# Altium PCB PCB1.PcbDoc
Units mm, origin at the board's own origin, x right, y up, seen from the top; angles counter-clockwise.
Board outline 100.26 x 80.38 mm, 2 copper layers (Top Layer, Bottom Layer); 47 components, 22 nets, 123 pads, 129 vias.
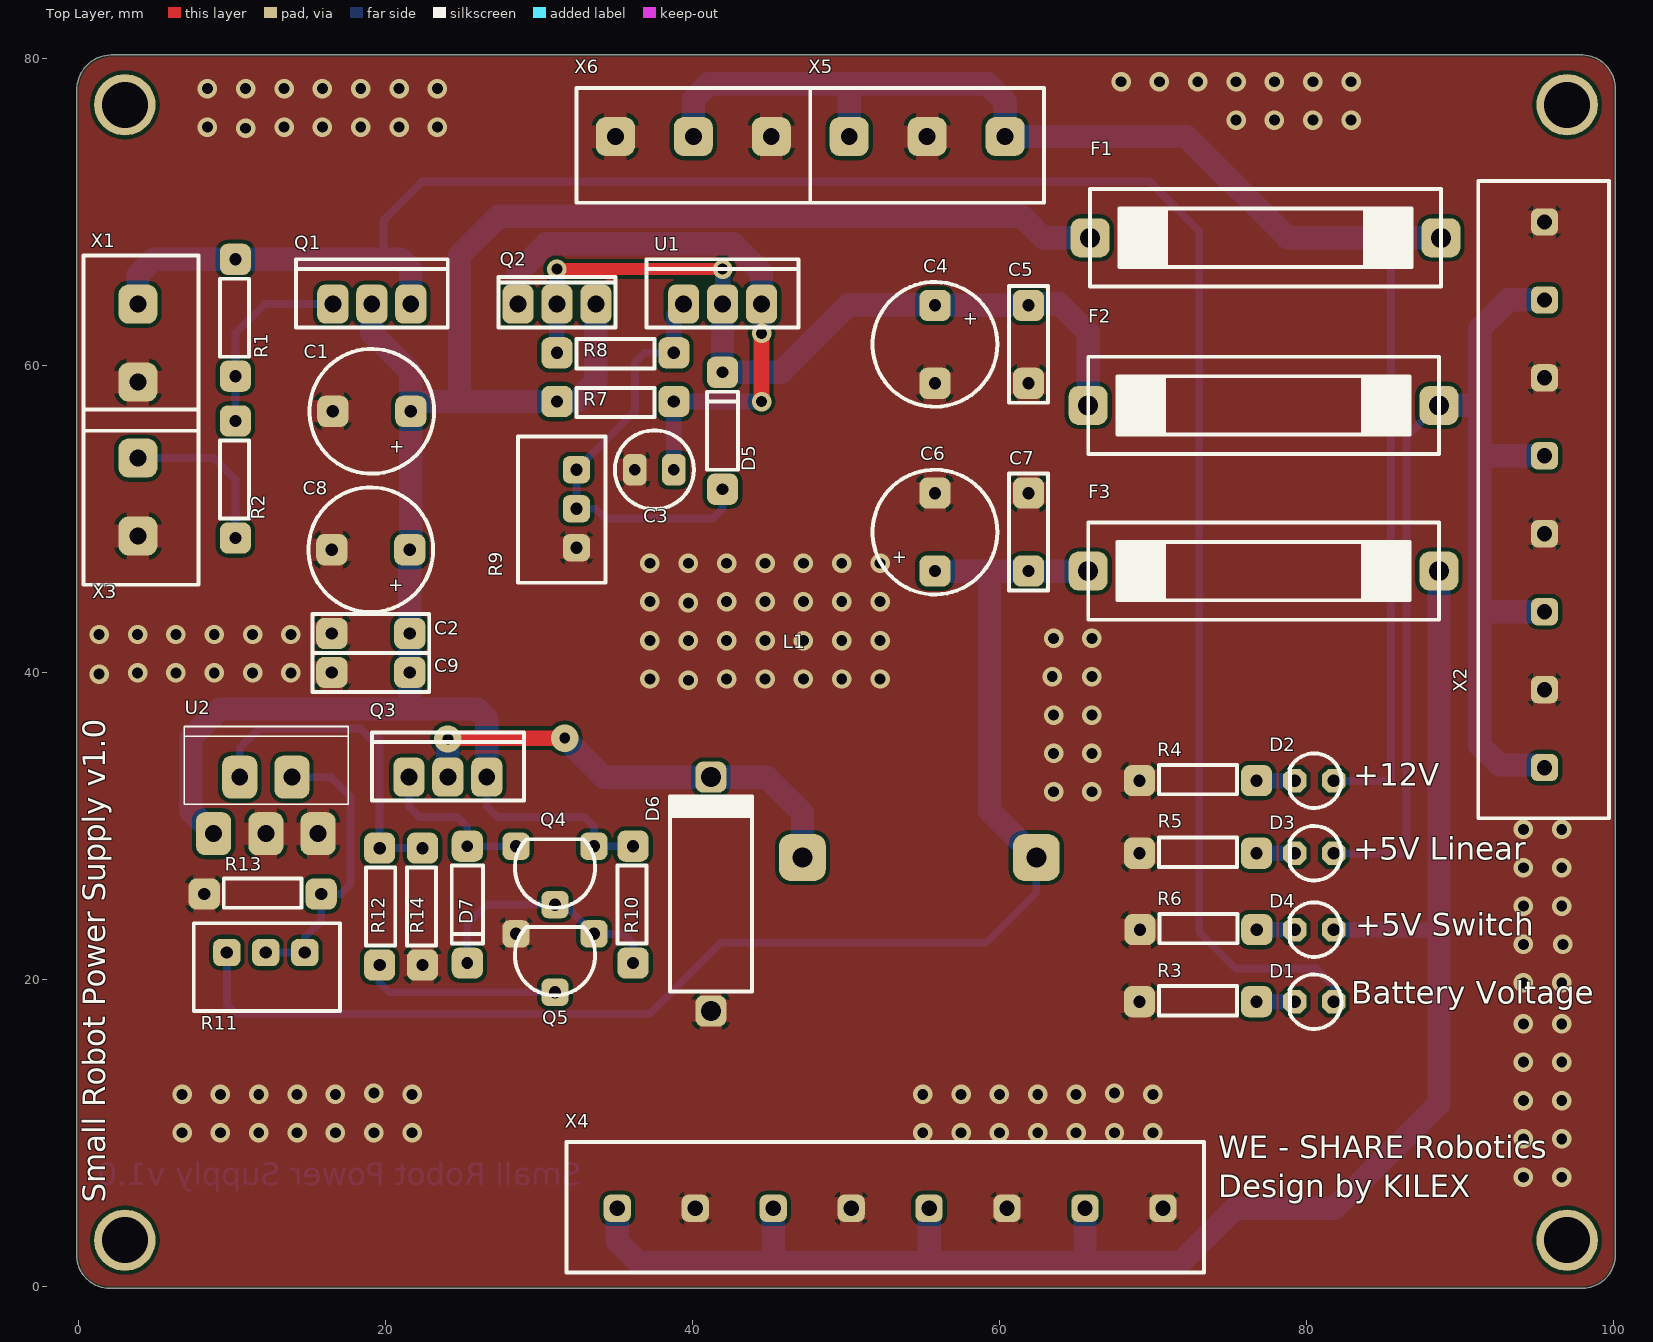
[diagram p0: Top Layer view]
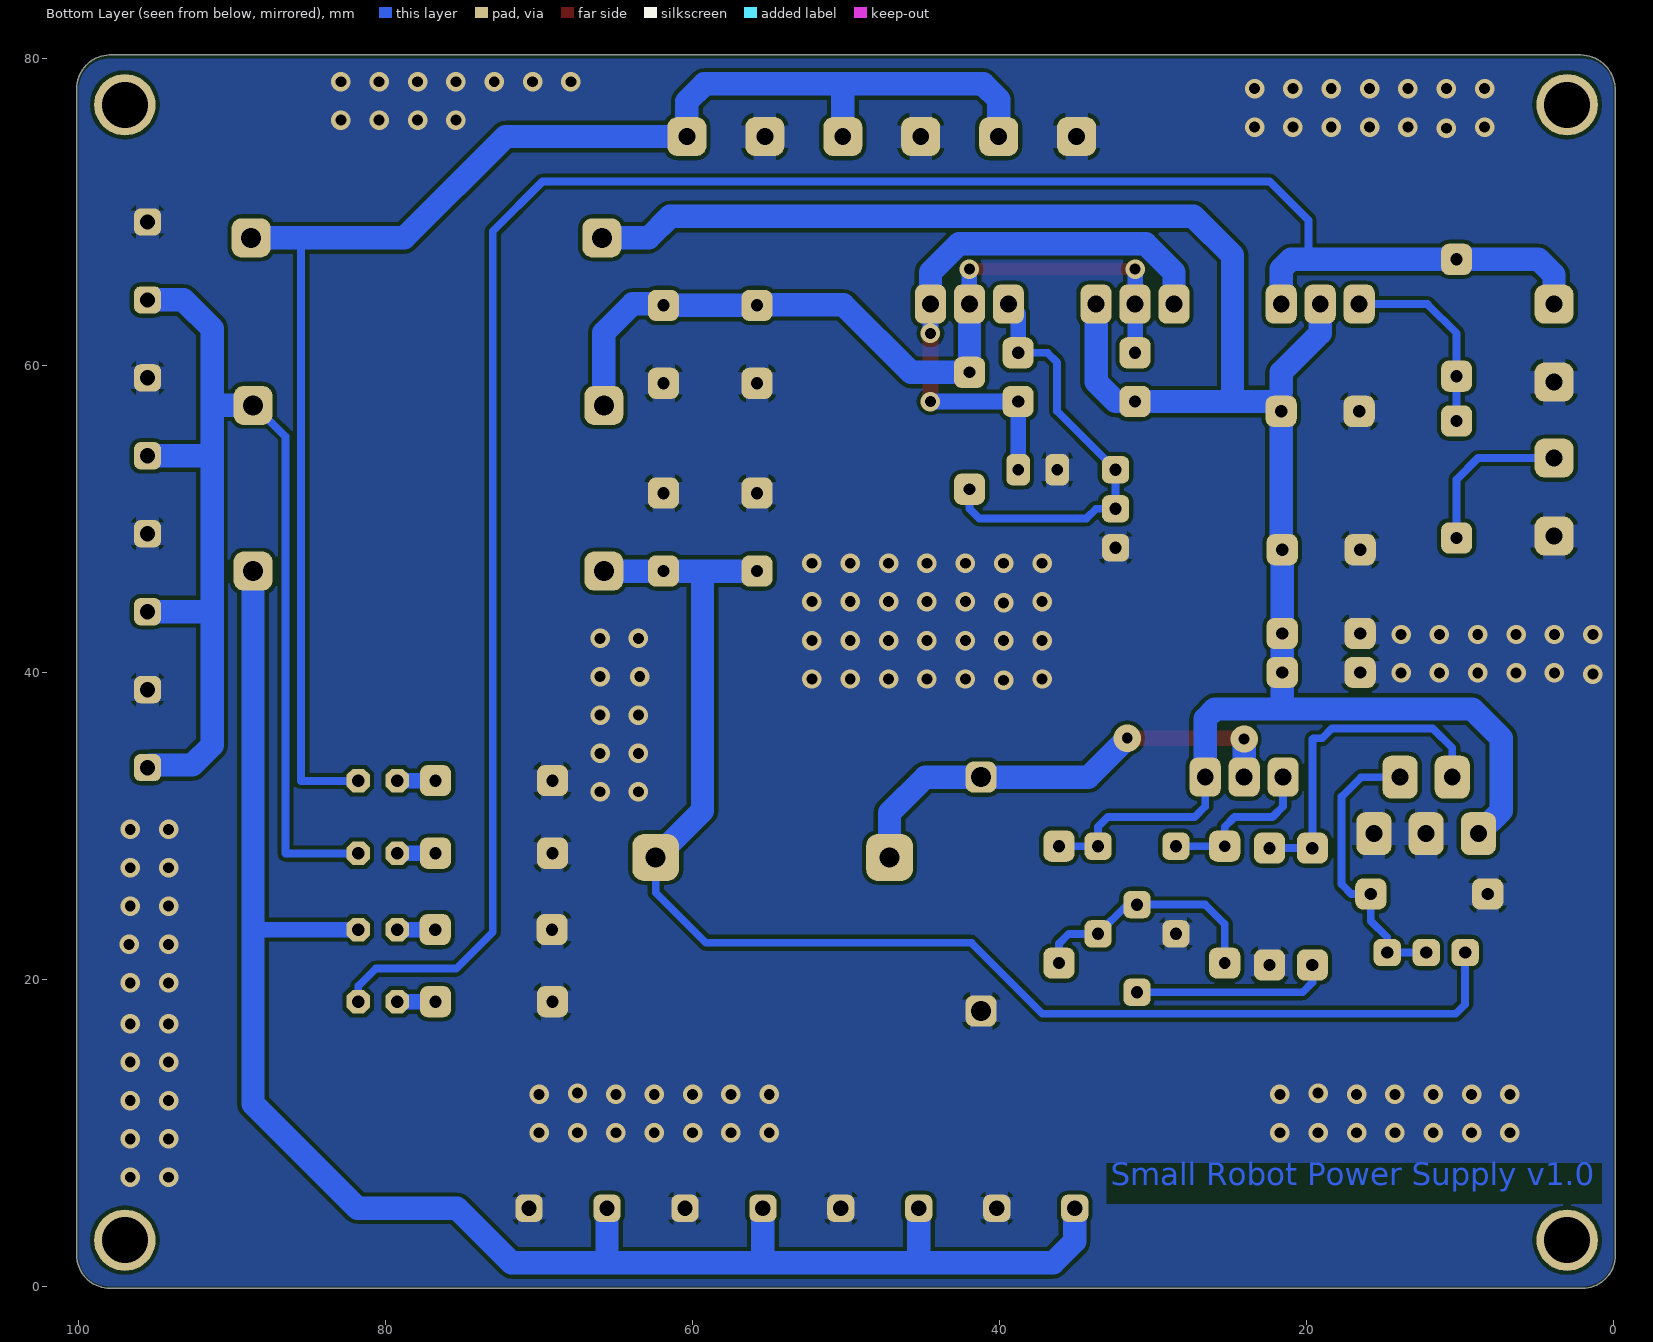
[diagram p1: Bottom Layer view, seen from below]

## Layer stack, top to bottom
Top Solder: solder mask 0.0102, Solder Resist, Dk 3.5
Top Layer: signal copper 0.0356
Dielectric 1: dielectric 0.32, FR-4, Dk 4.8
Bottom Layer: signal copper 0.0356
Bottom Solder: solder mask 0.0102, Solder Resist, Dk 3.5

## Board outline
-0.127,1.999 cw(c2,2) -0.127,2 cw(c0,2) -0.127,2 -0.127,77.977 cw(c2.148,77.977) 2.102,80.252 cw(c2.104,80.125) 2.125,80.25 cw(c2.148,80.125) 2.148,80.252 98,80.252 cw(c98,80.125) 98.004,80.252 cw(c97.937,78.063) 100.128,78.063 cw(c97.937,78.063) 100.127,77.998 100.127,2 ccw(c100,2) 100.127,2.002 100.127,2 cw(c98,2) 98,-0.127 2,-0.127 cw(c2,2)

## Design rules (kind name [scope] priority, off if disabled: settings)
Clearance [All] p1: gap=0.254 ignorepadtopadclearanceinfootprint=FALSE except(0: Arc-Hole Track-Hole SMDPad-Hole THPad-Hole Via-Hole Fill-Hole Poly-Hole Region-Hole Text-Hole)
Height [All] p1: minheight=0 maxheight=40 prefheight=12.7
PlaneClearance [All] p1: clearance=1
PlaneConnect [All] p1: planeconnectstyle=Relief reliefexpansion=0.508 reliefentries=4 reliefconductorwidth=1.5 reliefairgap=0.254
PolygonConnect [All] p1: connectstyle=Relief reliefconductorwidth=1.5 reliefentries=4 polygonreliefangle="90 Angle" airgapwidth=0.254
RoutingVias [All] p1: holewidth=0.711 width=1.27 viastyle="Through Hole" minholewidth=0.711 minwidth=1.27 maxholewidth=0.711 maxwidth=1.27
SolderMaskExpansion [All] p1: expansion=0.102
Width [All] p1: maxlimit=1.524 minlimit=0.508 preferedwidth=1.016 minimp=50.000000 maximp=50.000000 favimp=50.000000
27 further rules are at their usual default settings.

## Components (designator, comment, footprint, x,y, rotation, side; value= is the part's Value field where it differs from the comment)
C1 "Capacitor Electrolyt" C2(elektrolit) 21.635,57.023 r180 top
C2 "Capacitor Ceramic" C1(ceramic) 21.569,42.545 r180 top
C3 "Capacitor Electrolyt" C2-Small 38.78,53.213 r180 top
C4 "Capacitor Electrolyt" C2(elektrolit) 55.798,63.927 r270 top
C5 "Capacitor Ceramic" C1(ceramic) 61.894,63.927 r270 top
C6 "Capacitor Electrolyt" C2(elektrolit) 55.798,46.609 r90 top
C7 "Capacitor Ceramic" C1(ceramic) 61.894,51.689 r270 top
C8 "Capacitor Electrolyt" C2(elektrolit) 21.569,48 r180 top
C9 "Capacitor Ceramic" C1(ceramic) 16.489,40.005 r0 top
D1 "Diode LED" LED(3mm) 81.788,18.542 r180 top
D2 "Diode LED" LED(3mm) 81.788,32.949 r180 top
D3 "Diode LED" LED(3mm) 81.788,28.219 r180 top
D4 "Diode LED" LED(3mm) 81.788,23.241 r180 top
D5 "Diode Standard" D1(300milsa) 41.955,51.943 r90 top
D6 "Diode Shottky" D2(5A) 41.195,17.938 r90 top
D7 "1n4148" D1(300milsa) 25.32,28.68 r270 top
F1 "Fuse" Osigurac 65.913,68.326 r0 top
F2 "Fuse" Osigurac 65.786,57.404 r0 top
F3 "Fuse" Osigurac 65.786,46.609 r0 top
L1 "Inductor" Kalem 47.162,27.94 r0 top
Q1 "IRF4905" TO220 16.555,64.008 r0 top
Q2 "BD912" BD912 28.62,64.008 r0 top
Q3 "IRF4905" TO220 21.51,33.178 r0 top
Q4 "BC546" TO-92 33.575,28.68 r180 top
Q5 "BC546" TO-92 33.575,22.965 r180 top
R1 "Resistor Fixed" R1(300milsa) 10.205,59.309 r90 top value=1K
R2 "Resistor Fixed" R1(300milsa) 10.205,48.768 r90 top value=1K
R3 "Resistor Fixed" R1(300milsa) 69.133,18.542 r0 top value=1K
R4 "Resistor Fixed" R1(300milsa) 69.133,32.949 r0 top value=1K
R5 "Resistor Fixed" R1(300milsa) 69.133,28.219 r0 top value=1K
R6 "Resistor Fixed" R1(300milsa) 69.155,23.241 r0 top value=1K
R7 "Resistor Fixed" R1(300milsa) 38.78,57.658 r180 top value=1K
R8 "Resistor Fixed" R1(300milsa) 38.78,60.833 r180 top value=1K
R9 "Resistor Variable" TRIM 32.43,53.213 r270 top
R10 "Resistor Fixed" R1(300milsa) 36.115,21.06 r90 top value=1K
R11 "Resistor Variable" TRIM 9.648,21.748 r0 top
R12 "Resistor Fixed" R1(300milsa) 19.605,28.553 r270 top value=1K
R13 "Resistor Fixed" R1(300milsa) 8.175,25.558 r0 top value=1K
R14 "Resistor Fixed" R1(300milsa) 22.399,20.933 r90 top value=1K
U1 "LM317" TO220 39.415,64.008 r0 top
U2 "LM2576" LM2576 8.785,29.495 r0 top
X1 "Klema" Klema 3.855,58.928 r90 top
X2 "Klema8" KLEMA8 95.525,33.8 r90 top
X3 "Klema" Klema 3.855,48.895 r90 top
X4 "Klema8" KLEMA8 35.097,5.08 r0 top
X5 "Klema3" Klema3 60.37,74.93 r180 top
X6 "Klema3" Klema3 45.13,74.93 r180 top

## Footprints (in the part's own frame and the unit in brackets; to place one, negate y for a bottom-side part, rotate by r counter-clockwise, add the part's x,y. Pads: shape width x height; smd on the part's side, far side on the other; paste and mask are expansions set on the pad)
BD912 [mm]
  rrect50% 2.032x2.54 hole 1.1: 1(0,0) 2(2.54,0) 3(5.08,0)
  silkscreen extent -1.27,-1.52 6.35,1.78, body extent -2.41,-1.55 7.49,2.91, height 18.95
C1(ceramic) [mil]
  rrect50% 80x80 hole 31.5: 1(0,0) 2(200,0)
  silkscreen extent -50,-50 250,50, body extent -37,-33 238,33, height 258
C2(elektrolit) [mil]
  rrect50% 80x80 hole 31.5: 1(0,0) 2(200,0)
  silkscreen extent -60,-160 260,160, body extent -57,-157 257,157, height 522
C2-Small [mil]
  rrect50% 60x80 hole 30: 1(0,0) 2(100,0)
  silkscreen extent -51,-101 151,101, body extent -43,-100 153,97, height 433
D1(300milsa) [mil]
  rrect50% 80x80 hole 30: 1(0,0) 2(300,0)
  silkscreen extent 50,-40 250,40, body extent -10,-47 318,47, height 100
D2(5A) [mil]
  rrect50% 80x80 hole 51.18: 1(0,0) 2(600,0)
  silkscreen extent 50,-105 550,105, body extent -14,-104 620,105, height 224
Kalem [mil]
  rrect50% 120x120 hole 51.18: 1(0,0) 2(600,0)
  body extent -73,-567 680,577, height 1274
Klema [mm]
  rrect50% 2.54x2.54 hole 1.1: 1(0,0) 2(5.08,0)
  silkscreen extent -3.18,-3.94 8.25,3.56, body extent -3.11,-3.94 8.25,3.56, height 9.95
Klema3 [mm]
  rrect50% 2.54x2.54 hole 1.1: 1(0,0) 2(5.08,0) 3(10.16,0)
  silkscreen extent -2.54,-3.18 12.7,4.32, body extent -2.54,-3.17 12.7,4.33, height 10
KLEMA8 [mil]
  rrect50% 70x70 hole 39.37: 1(0,0) 2(200,0) 3(400,0) 4(600,0) 5(800,0) 6(1000,0) 7(1200,0) 8(1400,0)
  silkscreen extent -130,-165 1505,170, body extent -124,-160 1500,163, height 395
LED(3mm) [mil]
  oct 60x60 hole 31.5: 1(0,0) 2(100,0)
  silkscreen extent -20,-70 114,70, body extent -28,-60 128,77, height 212
LM2576 [mil]
  rrect50% 90x110 hole 43.31: 1(0,0) 2(67,145) 3(134,0) 4(201,145) 5(268,0)
  silkscreen extent -75,75 345,275, body extent -65,-10 335,315, height 850
Osigurac [mm]
  rrect50% 2.54x2.54 hole 1.3: 1(0,0) 2(22.86,0)
  silkscreen extent 0,-3.17 22.86,3.17, body extent 0,-4.5 23.16,4.5, height 12.49
R1(300milsa) [mil]
  rrect50% 80x80 hole 31.5: 1(0,0) 2(300,0)
  silkscreen extent 50,-35 250,40, body extent -12,-49 312,45, height 95
TO220 [mm]
  rrect50% 2.032x2.54 hole 1.1: 1(0,0) 2(2.54,0) 3(5.08,0)
  silkscreen extent -2.41,-1.52 7.49,2.92, body extent -2.41,-1.55 7.49,2.91, height 18.95
TO-92 [mil]
  rrect50% 70x70 hole 31.5: 1(100,150) 2(200,0) 3(0,0)
  silkscreen extent -3,-18 203,158, body extent -15,-9 205,159, height 385
TRIM [mil]
  rrect50% 70x70 hole 31.5: 1(0,0) 2(100,0) 3(200,0)
  silkscreen extent -85,-150 290,75, body extent -88,-165 288,75, height 465

## Part data
D7: library part "Diode Standard"
Q1 Q3: library part "P-Channel MOSFET"
Q4 Q5: library part "Transistor NPN"
U1: library part LM317/LM350

## Free pads (board coordinates)
  round 4 hole 3: ""(3,3) ""(3,77) ""(97,3) ""(97,77)

## Via types
v1: diameter 1.27, hole 0.711, Top Layer to Bottom Layer, tented both sides, 123 vias
v2: diameter 1.27, hole 0.711, Top Layer to Bottom Layer, 4 vias
v3: diameter 1.778, hole 0.711, Top Layer to Bottom Layer, 2 vias

## Nets (pads, with @x,y where several pads share a name; then routed paths per layer and width w, separated by ;. In a path a pad name is that pad's centre, name@x,y a point inside that pad or via, vN(x,y) a via of type N, cw(c..) or ccw(c..) an arc to the next point about the centre after c; other vN are vias at no path point)
"5V Lin": D3.1 F2.2 X2.1 X2.3 X2.5 X2.7 | length 82.9
  Bottom Layer w0.508: D3.1 81.813,28.194 86.532,28.194 86.532,55.372 F2.2@88.564,57.404
  Bottom Layer w1.524: F2.2 91.313,57.404 ; X2.1 95.354,33.971 92.604,33.971 91.313,35.262 91.313,43.907 ; X2.3 91.366,43.96 91.313,43.907 ; X2.5 91.483,54.12 91.313,53.95 ; X2.7 93.18,64.28 91.313,62.413 91.313,57.404 ; 91.313,43.907 91.313,53.95 ; 91.313,53.95 91.313,57.404
"5V Switch": D4.1 F3.2 X4.1 X4.3 X4.5 X4.7 | length 111.6
  Bottom Layer w1.016: D4.1 88.646,23.241
  Bottom Layer w1.524: X4.1 35.097,2.921 36.494,1.524 45.13,1.524 ; X4.3 45.257,1.651 45.13,1.524 ; X4.5 55.417,1.651 55.29,1.524 ; X4.7 65.577,1.651 65.45,1.524 ; 88.646,45.212 88.646,23.241 88.646,11.893 81.833,5.08 75.356,5.08 71.8,1.524 65.45,1.524 ; 45.13,1.524 55.29,1.524 ; 55.29,1.524 65.45,1.524
+12: C1.1 C2.1 C8.1 C9.2 F1.1 Q1.2 Q2.3 Q3.3 Q4.3 R7.2 R10.2 U2.1 | length 140.8
  Bottom Layer w0.508: Q3.3 26.59,31.273 27.278,30.585 32.94,30.585 33.575,29.95 Q4.3 R10.2
  Bottom Layer w1.524: U2.1 7.284,30.996 7.284,35.718 9.189,37.623 21.51,37.623 ; Q1.2 19.095,62.103 21.635,59.563 21.635,58.293 ; C8.1 C2.1 C9.2 21.569,37.682 21.51,37.623 ; C8.1@21.635,48.266 C1.1 21.635,57.658 24.81,57.658 ; Q3.3 26.59,36.988 25.955,37.623 21.51,37.623 ; Q2.3 33.7,58.928 32.43,57.658 R7.2 24.81,57.658 ; F1.1 62.865,68.326 61.468,69.723 27.35,69.723 24.81,67.183 24.81,57.658
"+12V Motor": D2.1 F1.2 X5.1 X5.3 X6.2 | length 99.7
  Bottom Layer w0.508: D2.1 81.813,32.924 85.516,32.924 85.516,68.199 85.389,68.326
  Bottom Layer w1.524: X6.2 40.05,77.343 41.066,78.359 50.337,78.359 ; X5.3 50.21,78.232 50.337,78.359 ; F1.2 85.389,68.326 78.785,68.326 72.181,74.93 X5.1 60.37,77.216 59.227,78.359 50.337,78.359
BAT: D1.1 Q1.3 R1.2 X1.2 | length 137.7
  Bottom Layer w0.508: 19.857,66.929 19.857,69.469 22.388,72 69.777,72 73.025,68.752 73.025,23.075 75.399,20.701 80.645,20.701 81.788,19.558 D1.1
  Bottom Layer w1.524: X1.2 3.855,65.913 4.871,66.929 R1.2 19.857,66.929 21,66.929 21.635,66.294 Q1.3
GND: C1.2 C2.2 C3.2 C4.2 C5.2 C6.2 C7.1 C8.2 C9.1 D6.1 Q5.2 R3.1 R4.1 R5.1 R6.1 R9.3 R13.1 R14.1 U2.3 U2.5 X1.1 X2.2 X2.4 X2.6 X2.8 X3.1 X4.2 X4.4 X4.6 X4.8 X5.2 X6.1 X6.3
  other v1: 94.15,7.1 96.65,7.1 94.15,9.6 96.65,9.6 6.726,10 9.226,10 11.726,10 14.226,10 16.726,10 19.226,10 21.726,10 55,10 57.5,10 60,10 62.5,10 65,10 67.5,10 70,10 94.15,12.1 96.65,12.1 6.726,12.5 9.226,12.5 11.726,12.5 14.226,12.5 16.726,12.5 21.726,12.5 55,12.5 57.5,12.5 60,12.5 62.5,12.5 65,12.5 70,12.5 19.226,12.58 67.5,12.58 94.15,14.6 96.65,14.6 94.15,17.1 96.65,17.1 94.15,19.775 96.65,19.775 94.15,22.275 96.73,22.275 94.15,24.775 96.65,24.775 94.15,27.275 96.65,27.275 94.15,29.775 96.65,29.775 63.525,32.225 66.025,32.225 63.525,34.725 66.025,34.725 63.525,37.225 66.025,37.225 39.725,39.495 37.225,39.575 42.225,39.575 44.725,39.575 47.225,39.575 49.725,39.575 52.225,39.575 63.445,39.725 66.025,39.725 1.325,39.895 3.825,39.975 6.325,39.975 8.825,39.975 11.325,39.975 13.825,39.975 37.225,42.075 39.725,42.075 42.225,42.075 44.725,42.075 47.225,42.075 49.725,42.075 52.225,42.075 63.525,42.225 66.025,42.225 1.325,42.475 3.825,42.475 6.325,42.475 8.825,42.475 11.325,42.475 13.825,42.475 39.725,44.537 37.225,44.617 42.225,44.617 44.725,44.617 47.225,44.617 49.725,44.617 52.225,44.617 37.225,47.117 39.725,47.117 42.225,47.117 44.725,47.117 47.225,47.117 49.725,47.117 52.225,47.117 10.875,75.47 8.375,75.55 13.375,75.55 15.875,75.55 18.375,75.55 20.875,75.55 23.375,75.55 75.425,76 77.925,76 80.425,76 82.925,76 8.375,78.05 10.875,78.05 13.375,78.05 15.875,78.05 18.375,78.05 20.875,78.05 23.375,78.05 67.925,78.5 70.425,78.5 72.925,78.5 75.425,78.5 77.925,78.5 80.425,78.5 82.925,78.5
NetC3_1: C3.1 Q2.1 R7.1 U1.3 | length 38.1
  Top Layer w1.016: v2(44.495,57.658) v2(44.495,62.103)
  Bottom Layer w1.016: C3.1 R7.1 v2(44.495,57.658) ; v2(44.495,62.103) U1.3
  Bottom Layer w1.524: Q2.1 28.62,66.089 30.476,67.945 42.639,67.945 44.495,66.089 U1.3
NetC4_1: C4.1 C5.1 D5.2 F2.1 Q2.2 R8.2 U1.2 | length 54.2
  Top Layer w0.762: v2(31.16,66.294) v2(41.955,66.294)
  Bottom Layer w1.016: R8.2 Q2.2 v2(31.16,66.294) ; U1.2 v2(41.955,66.294)
  Bottom Layer w1.524: U1.2 D5.2 45.765,59.563 50.169,63.967 55.757,63.967 C4.1 C5.1 61.998,64.031 63.903,64.031 65.786,62.148 F2.1
NetC6_1: C6.1 C7.2 F3.1 L1.2 R11.1 | length 91.9
  Bottom Layer w0.508: R11.1 9.648,18.37 10.26,17.758 37.205,17.758 41.83,22.383 59.131,22.383 62.402,25.654 L1.2
  Bottom Layer w1.524: C6.1 59.354,46.609 ; L1.2 59.354,30.988 59.354,46.609 ; F3.1 C7.2 59.354,46.609
NetD1_2: D1.2 R3.2 | length 2.5
  Bottom Layer w1.016: R3.2 D1.2
NetD2_2: D2.2 R4.2 | length 2.5
  Bottom Layer w1.016: R4.2 D2.2
NetD3_2: D3.2 R5.2 | length 2.5
  Bottom Layer w1.016: R5.2 D3.2
NetD4_2: D4.2 R6.2 | length 2.5
  Bottom Layer w1.016: R6.2 D4.2
NetD5_1: D5.1 R8.1 R9.1 R9.2 U1.1 | length 28.7
  Bottom Layer w0.508: R8.1 36.875,60.833 36.24,60.198 36.24,57.023 R9.1 R9.2 33.7,50.673 34.335,50.038 41.32,50.038 41.955,50.673 D5.1
  Bottom Layer w1.016: R8.1 38.78,63.373 U1.1
NetD6_2: D6.2 L1.1 Q3.2 | length 30.6
  Top Layer w1.016: v3(24.05,35.665) 24.103,35.718 v3(31.67,35.718)
  Bottom Layer w1.524: Q3.2 v3(24.05,35.665) ; v3(31.67,35.718) 34.21,33.178 D6.2 44.845,33.178 47.162,30.861 L1.1
NetD7_1: D7.1 Q3.1 Q4.2 | length 10.7
  Bottom Layer w0.508: Q3.1 21.51,31.273 22.198,30.585 24.685,30.585 25.32,29.95 D7.1 Q4.2
NetD7_2: D7.2 Q4.1 Q5.3 R10.1 | length 16.2
  Bottom Layer w0.508: D7.2 25.32,23.6 26.59,24.87 Q4.1 31.67,24.87 Q5.3 35.48,22.965 36.115,22.33 R10.1
NetQ1_1: Q1.1 R1.1 R2.2 | length 12.9
  Bottom Layer w0.508: R2.2 R1.1 10.205,62.103 12.11,64.008 Q1.1
NetQ5_1: Q5.1 R12.2 | length 12.8
  Bottom Layer w0.508: R12.2 19.605,19.79 20.24,19.155 Q5.1
NetR2_1: R2.1 X3.2 | length 10.7
  Bottom Layer w0.508: X3.2 8.808,53.975 10.205,52.578 R2.1
NetR11_2: R11.2 R11.3 R13.2 U2.4 | length 19
  Bottom Layer w0.508: R11.2 R11.3 14.728,22.736 15.795,23.803 R13.2 17.065,25.558 17.7,26.193 17.7,31.908 16.43,33.178 U2.4
NetR12_1: R12.1 R14.2 U2.2 | length 21.7
  Bottom Layer w0.508: U2.2 10.486,35.083 11.756,36.353 18.335,36.353 18.97,35.718 19.552,35.718 19.605,35.665 R12.1 R14.2

## Polygon pours and split planes (outlines as drawn)
GND on Bottom Layer "Bottom Layer-GND 1" (solid, pour order 34): 98,0 ccw(c98,2) 100,2 100,78 ccw(c98,78) 98,80 2,80 ccw(c2,78) 0,78 0,2 ccw(c2,2) 2,0
GND on Bottom Layer "Bottom Layer-GND" (solid, shelved, pour order 30): 0,0
no net on Bottom Layer "Bottom Layer-No Net 3" (solid, shelved, pour order 29): 3.855,0
GND on Bottom Layer "Bottom Layer-GND" (solid, shelved, pour order 31): 0,0
no net on Bottom Layer "Bottom Layer-No Net" (solid, shelved, pour order 28): 5.489,78
no net on Bottom Layer "Bottom Layer-No Net 1" (solid, shelved, pour order 26): 4.871,78
no net on Bottom Layer "Bottom Layer-No Net 2" (solid, shelved, pour order 27): 7.489,89
GND on Top Layer (solid, pour order 35): 2,0 98,0 ccw(c98,2) 100,2 100,78 100,78.125 ccw(c98,78.125) 98,80.125 2.148,80.125 ccw(c2.148,77.977) 0,77.977 0,2 ccw(c2,2)

## Other copper
Bottom Layer:
  text "Small Robot Power Supply v1.0" at 32.75,6.1 h2.54

## Silkscreen, mask and mechanical layers (free items; w line width, h text height)
Top Overlay:
  text "+12V" at 83.058,32.131 h2.54
  text "+5V Linear" at 83.058,27.305 h2.54
  text "+5V Switch" at 83.185,22.352 h2.54
  text "Battery Voltage" at 82.931,17.907 h2.54
  text "Small Robot Power Supply v1.0" at 2.2,5.45 h2.54 r90
  text "WE - SHARE Robotics / Design by KILEX" at 74.275,5.3 h2.54
Mechanical 1:
  lines w0.254: 0,77.933 cw(c2.148,77.977) 2.104,80.125 ; 0,77.977 0,2 ccw(c2,2) 2,0 98,0 ccw(c98,2) 100,2 100,78 ccw(c97.937,78.063) 98,80.125 2.148,80.125

## Text inside footprints (layer, text, board x,y; h text height)
C1: Top Overlay "+" at 21.254,55.372 h1.52 r180
C4: Top Overlay "+" at 57.449,63.546 h1.52 r270
C6: Top Overlay "+" at 54.147,46.99 h1.52 r90
C8: Top Overlay "+" at 21.188,46.349 h1.52 r180